# Altium PCB OctopusPB_r0101.PcbDoc (part 11 of 11)
Units mm, origin at the board's own origin, x right, y up, seen from the top; angles counter-clockwise.
Board outline 318 x 80 mm, 4 copper layers (Top Layer, Layer 1, Layer 2, Bottom Layer), stack 1.567 mm thick; 1067 components, 459 nets, 3580 pads, 4392 vias.
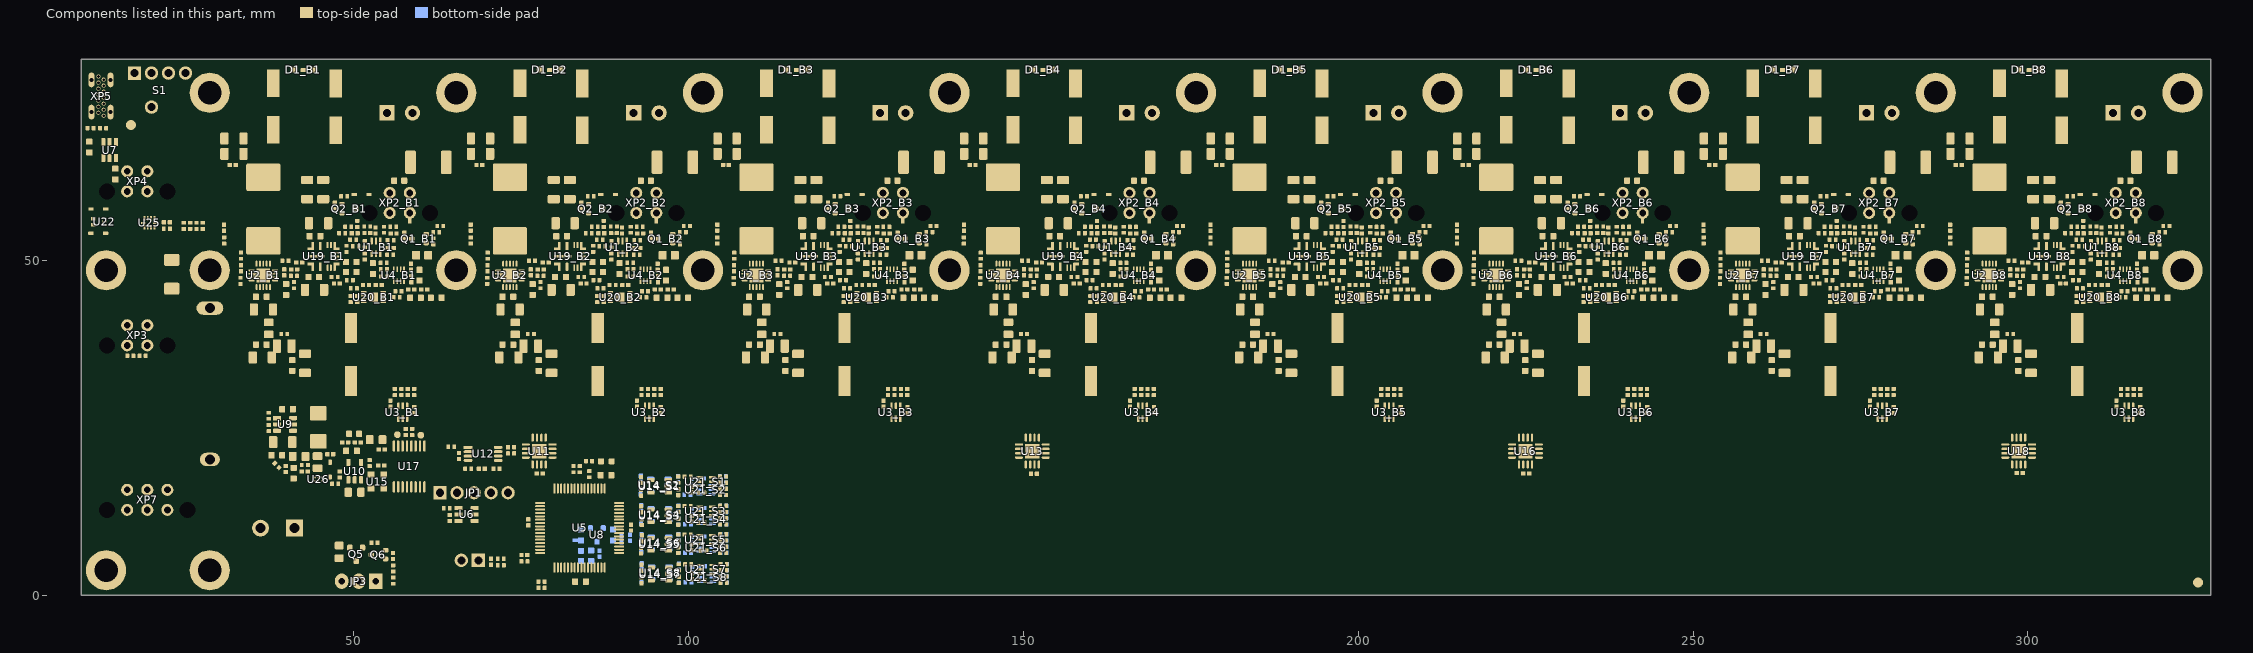
[diagram p13: the components of this part, seen from the top]

## Polygon pours and split planes (outlines as drawn) (continued)
DGND on Top Layer "PGND-TOP" (solid, pour order 187): 135.775,62.125 136.65,63 136.65,66.225 135.775,67.1 135.775,72.825 134.775,73.825 130.6,73.825 129.65,72.875 129.65,70.55 125.65,70.55 125.65,70.8 125.262,71.212 122.35,74.125 107.7,74.125 104.9,71.325 104.9,64.275 105.186,63.989 105.194,63.55 102.125,63.55 102.125,80 138.55,80 138.55,73.825 138.55,59.225 135.775,59.225
DGND on Top Layer "PGND-TOP" (solid, pour order 185): 98.95,62.125 99.825,63 99.825,66.225 98.95,67.1 98.95,72.825 97.95,73.825 93.775,73.825 92.825,72.875 92.825,70.55 88.825,70.55 88.825,70.8 88.437,71.212 85.525,74.125 70.875,74.125 68.075,71.325 68.075,64.275 68.361,63.989 68.369,63.55 65.3,63.55 65.3,80 101.725,80 101.725,73.825 101.725,59.225 98.95,59.225
DGND on Top Layer "PGND-TOP" (solid, pour order 173): 129.65,70.55 125.65,70.55 125.65,70.8 125.262,71.212 122.35,74.125 107.7,74.125 104.9,71.325 104.9,64.275 105.186,63.989 105.194,63.55 102.125,63.55 102.125,80 138.55,80 138.55,73.825 130.6,73.825 129.65,72.875
DGND on Top Layer "PGND-TOP" (solid, pour order 171): 92.825,70.55 88.825,70.55 88.825,70.8 88.437,71.212 85.525,74.125 70.875,74.125 68.075,71.325 68.075,64.275 68.361,63.989 68.369,63.55 65.3,63.55 65.3,80 101.725,80 101.725,73.825 93.775,73.825 92.825,72.875
DGND on Top Layer "Top Layer-PGND" (solid, pour order 89): 72.925,46.1 70.775,46.1 70,45.325 70,33.625 74,29.625 74.025,29.65 88.05,29.65 88.05,34.4 80.9,34.4 80.575,34.075 78.275,34.075 78.15,33.95 73.1,33.95 72.475,34.575 72.475,36.575 72.675,36.775 72.675,45.15 72.925,45.4
DGND on Top Layer "PGND-TOP" (solid, pour order 197): 319.9,62.125 320.775,63 320.775,66.225 319.9,67.1 319.9,72.825 318.9,73.825 314.725,73.825 313.775,72.875 313.775,70.55 309.775,70.55 309.775,70.8 309.388,71.212 306.475,74.125 291.825,74.125 289.025,71.325 289.025,64.275 289.311,63.989 289.319,63.55 286.25,63.55 286.25,80 322.675,80 322.675,73.825 322.675,59.225 319.9,59.225
DGND on Top Layer "PGND-TOP" (solid, pour order 195): 283.075,62.125 283.95,63 283.95,66.225 283.075,67.1 283.075,72.825 282.075,73.825 277.9,73.825 276.95,72.875 276.95,70.55 272.95,70.55 272.95,70.8 272.563,71.212 269.65,74.125 255,74.125 252.2,71.325 252.2,64.275 252.486,63.989 252.494,63.55 249.425,63.55 249.425,80 285.85,80 285.85,73.825 285.85,59.225 283.075,59.225
DGND on Top Layer "PGND-TOP" (solid, pour order 193): 246.25,62.125 247.125,63 247.125,66.225 246.25,67.1 246.25,72.825 245.25,73.825 241.075,73.825 240.125,72.875 240.125,70.55 236.125,70.55 236.125,70.8 235.738,71.212 232.825,74.125 218.175,74.125 215.375,71.325 215.375,64.275 215.661,63.989 215.669,63.55 212.6,63.55 212.6,80 249.025,80 249.025,73.825 249.025,59.225 246.25,59.225
DGND on Top Layer "PGND-TOP" (solid, pour order 191): 209.425,62.125 210.3,63 210.3,66.225 209.425,67.1 209.425,72.825 208.425,73.825 204.25,73.825 203.3,72.875 203.3,70.55 199.3,70.55 199.3,70.8 198.913,71.212 196,74.125 181.35,74.125 178.55,71.325 178.55,64.275 178.836,63.989 178.844,63.55 175.775,63.55 175.775,80 212.2,80 212.2,73.825 212.2,59.225 209.425,59.225
DGND on Top Layer "PGND-TOP" (solid, pour order 189): 172.6,62.125 173.475,63 173.475,66.225 172.6,67.1 172.6,72.825 171.6,73.825 167.425,73.825 166.475,72.875 166.475,70.55 162.475,70.55 162.475,70.8 162.088,71.212 159.175,74.125 144.525,74.125 141.725,71.325 141.725,64.275 142.011,63.989 142.019,63.55 138.95,63.55 138.95,80 175.375,80 175.375,73.825 175.375,59.225 172.6,59.225
DGND on Top Layer "PGND-TOP" (solid, pour order 183): 313.775,70.55 309.775,70.55 309.775,70.8 309.388,71.212 306.475,74.125 291.825,74.125 289.025,71.325 289.025,64.275 289.311,63.989 289.319,63.55 286.25,63.55 286.25,80 322.675,80 322.675,73.825 314.725,73.825 313.775,72.875
DGND on Top Layer "PGND-TOP" (solid, pour order 181): 276.95,70.55 272.95,70.55 272.95,70.8 272.563,71.212 269.65,74.125 255,74.125 252.2,71.325 252.2,64.275 252.486,63.989 252.494,63.55 249.425,63.55 249.425,80 285.85,80 285.85,73.825 277.9,73.825 276.95,72.875
DGND on Top Layer "PGND-TOP" (solid, pour order 179): 240.125,70.55 236.125,70.55 236.125,70.8 235.738,71.212 232.825,74.125 218.175,74.125 215.375,71.325 215.375,64.275 215.661,63.989 215.669,63.55 212.6,63.55 212.6,80 249.025,80 249.025,73.825 241.075,73.825 240.125,72.875
DGND on Top Layer "PGND-TOP" (solid, pour order 177): 203.3,70.55 199.3,70.55 199.3,70.8 198.913,71.212 196,74.125 181.35,74.125 178.55,71.325 178.55,64.275 178.836,63.989 178.844,63.55 175.775,63.55 175.775,80 212.2,80 212.2,73.825 204.25,73.825 203.3,72.875
DGND on Top Layer "PGND-TOP" (solid, pour order 175): 166.475,70.55 162.475,70.55 162.475,70.8 162.088,71.212 159.175,74.125 144.525,74.125 141.725,71.325 141.725,64.275 142.011,63.989 142.019,63.55 138.95,63.55 138.95,80 175.375,80 175.375,73.825 167.425,73.825 166.475,72.875
DGND on Top Layer "Top Layer-PGND" (solid, pour order 87): 109.75,46.1 107.6,46.1 106.825,45.325 106.825,33.625 110.825,29.625 110.85,29.65 124.875,29.65 124.875,34.4 117.725,34.4 117.4,34.075 115.1,34.075 114.975,33.95 109.925,33.95 109.3,34.575 109.3,36.575 109.5,36.775 109.5,45.15 109.75,45.4
DGND on Top Layer "PGND-TOP" (solid, pour order 135): 62.125,62.125 63,63 63,66.225 62.125,67.1 62.125,72.825 61.125,73.825 56.95,73.825 56,72.875 56,70.55 52,70.55 52,70.8 51.613,71.212 48.7,74.125 34.05,74.125 31.25,71.325 31.25,64.275 31.536,63.989 31.544,63.55 28.475,63.55 28.475,80 64.9,80 64.9,73.825 64.9,59.225 62.125,59.225
DGND on Top Layer "Top Layer-PGND" (solid, pour order 88): 183.4,46.1 181.25,46.1 180.475,45.325 180.475,33.625 184.475,29.625 184.5,29.65 198.525,29.65 198.525,34.4 191.375,34.4 191.05,34.075 188.75,34.075 188.625,33.95 183.575,33.95 182.95,34.575 182.95,36.575 183.15,36.775 183.15,45.15 183.4,45.4
DGND on Top Layer "Top Layer-PGND" (solid, pour order 90): 146.575,46.1 144.425,46.1 143.65,45.325 143.65,33.625 147.65,29.625 147.675,29.65 161.7,29.65 161.7,34.4 154.55,34.4 154.225,34.075 151.925,34.075 151.8,33.95 146.75,33.95 146.125,34.575 146.125,36.575 146.325,36.775 146.325,45.15 146.575,45.4
DGND on Top Layer "Top Layer-PGND" (solid, pour order 91): 220.225,46.1 218.075,46.1 217.3,45.325 217.3,33.625 221.3,29.625 221.325,29.65 235.35,29.65 235.35,34.4 228.2,34.4 227.875,34.075 225.575,34.075 225.45,33.95 220.4,33.95 219.775,34.575 219.775,36.575 219.975,36.775 219.975,45.15 220.225,45.4
DGND on Top Layer "Top Layer-PGND" (solid, pour order 92): 257.05,46.1 254.9,46.1 254.125,45.325 254.125,33.625 258.125,29.625 258.15,29.65 272.175,29.65 272.175,34.4 265.025,34.4 264.7,34.075 262.4,34.075 262.275,33.95 257.225,33.95 256.6,34.575 256.6,36.575 256.8,36.775 256.8,45.15 257.05,45.4
DGND on Top Layer "Top Layer-PGND" (solid, pour order 93): 293.875,46.1 291.725,46.1 290.95,45.325 290.95,33.625 294.95,29.625 294.975,29.65 309,29.65 309,34.4 301.85,34.4 301.525,34.075 299.225,34.075 299.1,33.95 294.05,33.95 293.425,34.575 293.425,36.575 293.625,36.775 293.625,45.15 293.875,45.4
DGND on Top Layer "Top Layer-PGND" (solid, pour order 86): 36.1,46.1 33.95,46.1 33.175,45.325 33.175,33.625 37.175,29.625 37.2,29.65 51.225,29.65 51.225,34.4 44.075,34.4 43.75,34.075 41.45,34.075 41.325,33.95 36.275,33.95 35.65,34.575 35.65,36.575 35.85,36.775 35.85,45.15 36.1,45.4
DGND on Layer 1 "DGND-MID1" (solid, pour order 119): 27.95,80 9.3,80 9.3,0 327.3,0 327.3,28.3 29,28.3 29,29 29,48 27.9,49.1 27.9,56.8
AGND on Layer 1 "AGND_BOT" (solid, pour order 115): 88.175,12.775 86.8,11.4 84.775,11.4 83.608,10.233 83.608,6.598 87.1,3.106 87.1,3 87.55,2.55 87.55,0.25 108.104,0.25 108.104,17.546 106.75,18.9 91.375,18.9 88.175,15.7
DGND on Layer 1 "Layer 1-PGND" (solid, pour order 97): 84.725,42.45 84.725,56.927 84.425,56.927 84.425,42.45 84.425,40.475 65.5,40.475 65.5,80 101.75,80 101.75,42.45
DGND on Layer 1 "Layer 1-PGND" (solid, pour order 95): 121.55,42.45 121.55,56.927 121.25,56.927 121.25,42.45 121.25,40.475 102.5,40.475 102.5,80 138.75,80 138.75,42.45
DGND on Layer 1 "Layer 1-PGND" (solid, pour order 96): 195.2,42.45 195.2,56.927 194.9,56.927 194.9,42.45 194.9,40.475 176,40.475 176,80 212.25,80 212.25,42.45
DGND on Layer 1 "Layer 1-PGND" (solid, pour order 98): 158.375,42.45 158.375,56.927 158.075,56.927 158.075,42.45 158.075,40.475 139.25,40.475 139.25,80 175.5,80 175.5,42.45
DGND on Layer 1 "Layer 1-PGND 1" (solid, pour order 110): 28.5,42.225 322.75,42.225 322.75,28.7 28.5,28.7
DGND on Layer 1 "Layer 1-PGND" (solid, pour order 99): 232.025,42.45 232.025,56.927 231.725,56.927 231.725,42.45 231.725,40.475 212.75,40.475 212.75,80 249,80 249,42.45
DGND on Layer 1 "Layer 1-PGND" (solid, pour order 100): 268.85,42.45 268.85,56.927 268.55,56.927 268.55,42.45 268.55,40.475 249.75,40.475 249.75,80 286,80 286,42.45
DGND on Layer 1 "Layer 1-PGND" (solid, pour order 101): 305.675,42.45 305.675,56.927 305.375,56.927 305.375,42.45 305.375,40.475 286.5,40.475 286.5,80 322.75,80 322.75,42.45
DGND on Layer 1 "Layer 1-PGND" (solid, pour order 94): 47.9,42.45 47.9,56.927 47.6,56.927 47.6,42.45 47.6,40.475 28.75,40.475 28.75,80 65,80 65,42.45

## Keep-outs
Keep-Out Layer:
  the board outline again, w0.254

## Other copper
Top Layer:
  drawing of 121 lines, arcs and shapes, not listed
Layer 1:
  region: 50.7,46.7
Layer 2:
  region net 15-26VIN: 32.6,7.7 30.575,7.7 27.1,11.175 27.1,13.2 26.1,14.2 14.5,14.2 14.5,19.7 16.45,21.65 30.075,21.65 38.2,13.525 38.2,8.5 37.4,7.7 34.6,7.7
  region net VOUT2: 87.525,46.7 87.525,50.225 90.85,53.55 90.85,55.375 90.7,55.525 90.175,55.525 90.025,55.375 90.025,54.325 86.55,50.85 86.55,46.575 86.65,46.475 87.35,46.475
  region net PVIN_B2: 81.225,43.725 80.975,43.975 80.975,57 81.15,57.175 84.225,57.175 84.425,56.975 84.425,43.975 84.175,43.725
  region net PVIN_B3: 118.05,43.725 117.8,43.975 117.8,57 117.975,57.175 121.05,57.175 121.25,56.975 121.25,43.975 121,43.725
  region net VOUT3: 124.35,46.7 124.35,50.225 127.675,53.55 127.675,55.375 127.525,55.525 127,55.525 126.85,55.375 126.85,54.325 123.375,50.85 123.375,46.575 123.475,46.475 124.175,46.475
  region net VOUT4: 161.175,46.7 161.175,50.225 164.5,53.55 164.5,55.375 164.35,55.525 163.825,55.525 163.675,55.375 163.675,54.325 160.2,50.85 160.2,46.575 160.3,46.475 161,46.475
  region net PVIN_B4: 154.875,43.725 154.625,43.975 154.625,57 154.8,57.175 157.875,57.175 158.075,56.975 158.075,43.975 157.825,43.725
  region net VOUT5: 198,46.7 198,50.225 201.325,53.55 201.325,55.375 201.175,55.525 200.65,55.525 200.5,55.375 200.5,54.325 197.025,50.85 197.025,46.575 197.125,46.475 197.825,46.475
  region net PVIN_B5: 191.7,43.725 191.45,43.975 191.45,57 191.625,57.175 194.7,57.175 194.9,56.975 194.9,43.975 194.65,43.725
  region net PVIN_B6: 228.525,43.725 228.275,43.975 228.275,57 228.45,57.175 231.525,57.175 231.725,56.975 231.725,43.975 231.475,43.725
  region net VOUT6: 234.825,46.7 234.825,50.225 238.15,53.55 238.15,55.375 238,55.525 237.475,55.525 237.325,55.375 237.325,54.325 233.85,50.85 233.85,46.575 233.95,46.475 234.65,46.475
  region net PVIN_B7: 265.35,43.725 265.1,43.975 265.1,57 265.275,57.175 268.35,57.175 268.55,56.975 268.55,43.975 268.3,43.725
  region net VOUT7: 271.65,46.7 271.65,50.225 274.975,53.55 274.975,55.375 274.825,55.525 274.3,55.525 274.15,55.375 274.15,54.325 270.675,50.85 270.675,46.575 270.775,46.475 271.475,46.475
  region net VOUT8: 308.475,46.7 308.475,50.225 311.8,53.55 311.8,55.375 311.65,55.525 311.125,55.525 310.975,55.375 310.975,54.325 307.5,50.85 307.5,46.575 307.6,46.475 308.3,46.475
  region net PVIN_B8: 302.175,43.725 301.925,43.975 301.925,57 302.1,57.175 305.175,57.175 305.375,56.975 305.375,43.975 305.125,43.725
  region net VOUT1: 50.7,46.7 50.7,50.225 54.025,53.55 54.025,55.375 53.875,55.525 53.35,55.525 53.2,55.375 53.2,54.325 49.725,50.85 49.725,46.575 49.825,46.475 50.525,46.475
  region net PVIN_B1: 44.4,43.725 44.15,43.975 44.15,57 44.325,57.175 47.4,57.175 47.6,56.975 47.6,43.975 47.35,43.725
Bottom Layer:
  pour cut-out: 84.375,6.155 86.171,6.155 86.211,6.115 86.211,5.514 86.18,5.545 84.375,5.545
  pour cut-out: 85.6,9.55 87.075,9.55 87.075,10.4 85.5,10.4
  pour cut-out: 84.325,6.775 84.325,7.725 84.225,7.825 84.2,7.8 83.475,7.8 83.475,6.648 83.426,6.598

## Silkscreen, mask and mechanical layers (free items; w line width, h text height)
Top Overlay:
  lines w0.1: 323.075,29.175 323.075,80
  lines w0.2: 28.475,29.225 28.475,80 ; 65.3,29.225 65.3,80 ; 102.125,29.225 102.125,80 ; 138.95,29.225 138.95,80 ; 175.775,29.225 175.775,80 ; 212.6,29.225 212.6,80 ; 249.425,29.225 249.425,80 ; 286.25,29.225 286.25,80
  text "-  +" at 54.05,68.625 h1.52
  text "-  +" at 90.875,68.625 h1.52
  text "-  +" at 127.7,68.625 h1.52
  text "-  +" at 164.525,68.625 h1.52
  text "-  +" at 201.35,68.625 h1.52
  text "-  +" at 238.175,68.625 h1.52
  text "-  +" at 275,68.625 h1.52
  text "-  +" at 311.825,68.625 h1.52
  text "VOUT1" at 53.6,66.8 h1.52
  text "VOUT2" at 90.425,66.8 h1.52
  text "VOUT3" at 127.25,66.8 h1.52
  text "VOUT4" at 164.075,66.8 h1.52
  text "VOUT5" at 200.9,66.8 h1.52
  text "VOUT6" at 237.725,66.8 h1.52
  text "VOUT7" at 274.55,66.8 h1.52
  text "VOUT8" at 311.375,66.8 h1.52
  text "DGND" at 19.575,64.8 h1.8 r90
  text "VBUS" at 16.55,64.775 h1.8 r90
  text "D-" at 16.5,57.65 h1.8 r90
  text "D+" at 19.575,57.65 h1.8 r90
  text "GPIO" at 16.575,41.9 h1.8 r90
  text "DGND" at 19.525,41.85 h1.8 r90
  text "SCL" at 19.475,33.05 h1.8 r90
  text "SDA" at 16.375,32.825 h1.8 r90
  text "PWR IN" at 16.625,17.05 h1.8 r90
  text "PWR IN" at 19.625,17.05 h1.8 r90
  text "PWR IN" at 22.625,17.05 h1.8 r90
  text "PROG" at 65.275,16.625 h1.52
  text "PWR IN" at 34.45,14.225 h1.52
  text "+  -" at 35.725,12.325 h1.52
  text "FAN" at 48.725,8.7 h1.52
  text "DGND" at 16.45,7.825 h1.8 r90
  text "DGND" at 19.45,7.825 h1.8 r90
  text "DGND" at 22.45,7.825 h1.8 r90
  text "BOOT MODE" at 61.425,7.325 h1.52
  text "OctopusPB r01.01" at 267.8,4.775 h1.52
  text "-      +     FB" at 47.875,3.5 h1.8
  text "6/10/2020" at 308.975,2.525 h1.52
Bottom Solder:
  region: 28.5,29.125 28.5,35.425 322.75,35.425 322.75,29.125
  region: 33.5,42.225 31.325,44.4 26.9,44.4 25.8,43.3 25.8,41.764 28.5,39.028 28.5,35.925 322.75,35.925 322.75,42.225
Mechanical 1:
  lines w0.05: 117.125,15.425 322.575,15.425
Mechanical 2:
  lines w0.1: 28.475,80 66.3,80 ; 30.275,21.2 68.1,21.2 ; 66.3,22 66.3,80 ; 68.8,22 106.625,22 ; 102.125,22 102.125,80 ; 104.125,22 141.95,22 ; 132.7,22 170.525,22 ; 138.95,22 138.95,80 ; 170.525,80 170.525,22 ; 208.35,22 170.525,22 ; 250.425,22 250.425,80 ; 292.75,79.875 293.125,21.875 ; 66.3,80 104.125,80 141.95,80 179.775,80 217.6,80 ; 217.6,80 255.425,80 293.625,80 ; 217.6,80 217.6,22 255.425,22 293.125,21.875 ; 293.125,21.875 330.825,21.999 330.825,80 293.625,80 ; 293.125,21.875 293.625,80
Mechanical 8:
  drawing of 349 lines, arcs and shapes, not listed